# Altium PCB shield.pcbdoc (part 1 of 2)
Units mm, origin at the board's own origin, x right, y up, seen from the top; angles counter-clockwise.
Board outline 68.58 x 53.34 mm, 2 copper layers (Top Layer, Bottom Layer), stack 0.981 mm thick; 66 components, 65 nets, 332 pads, 495 vias.
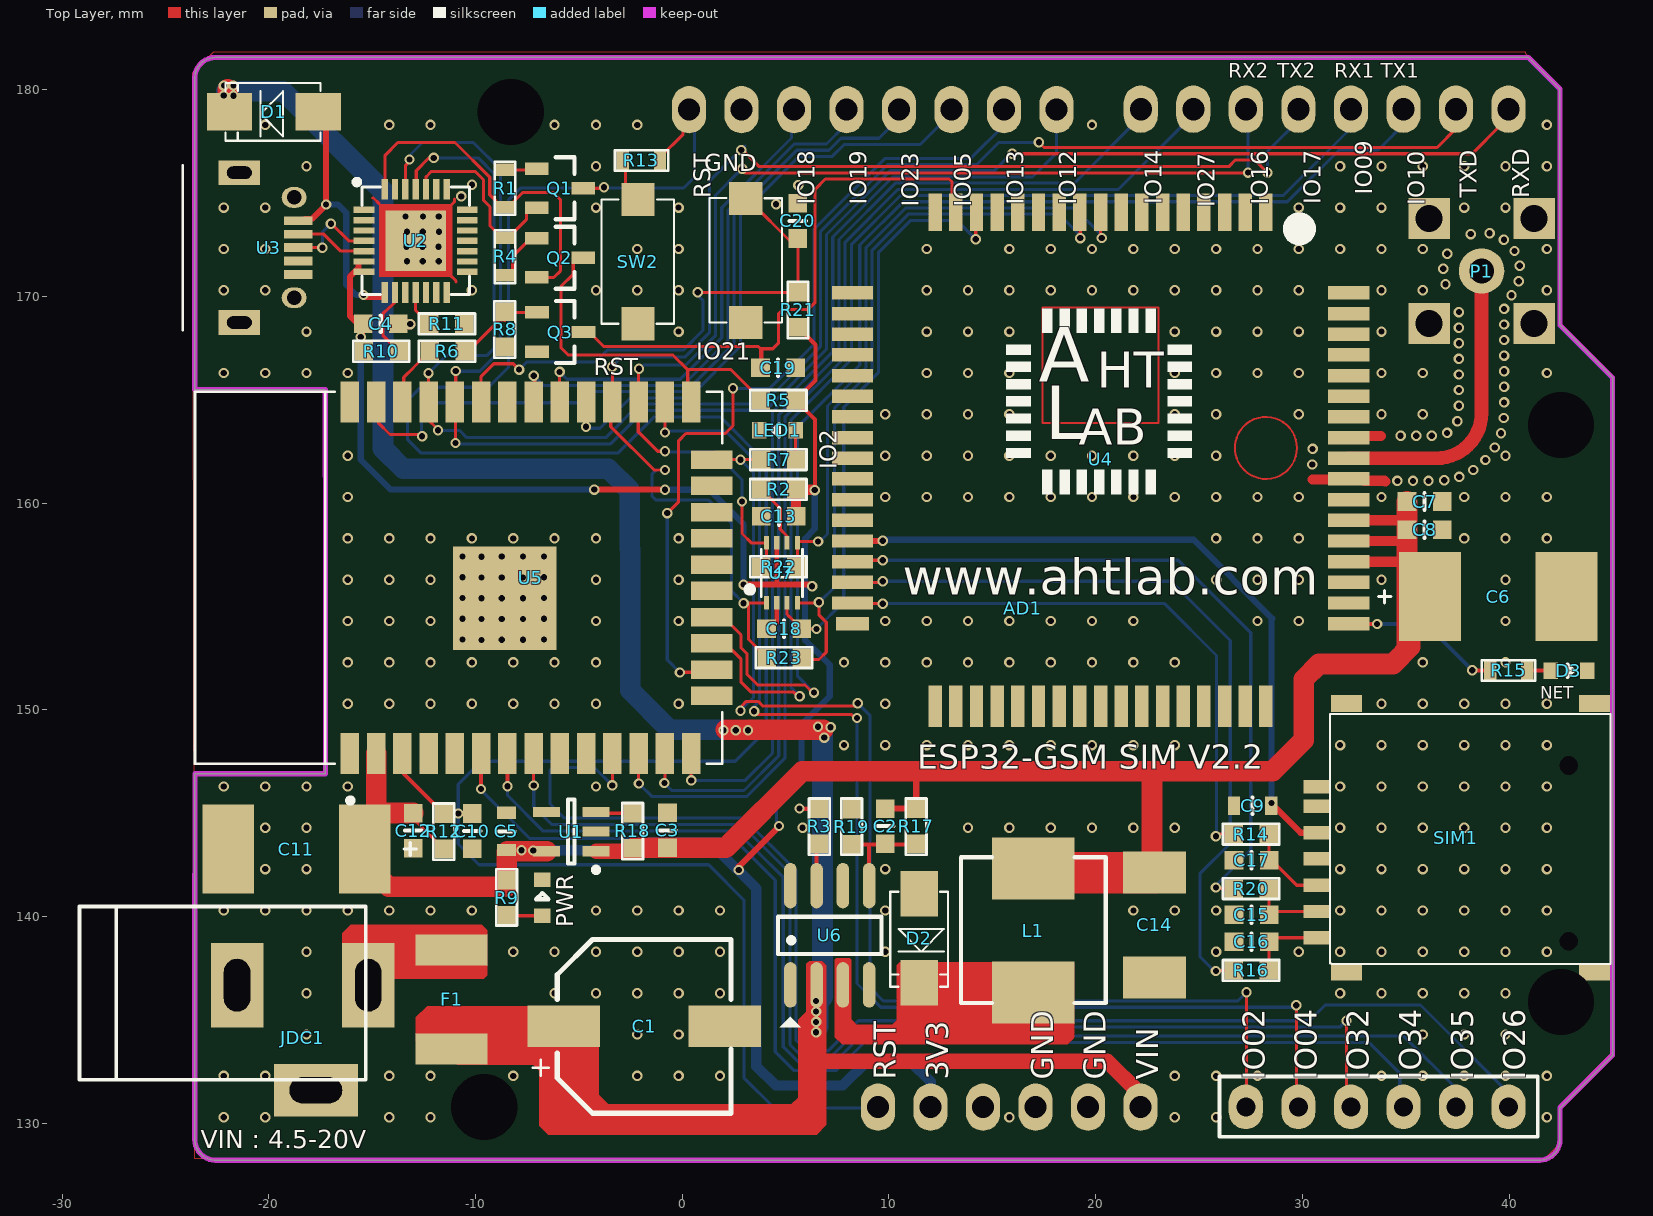
[diagram p0: Top Layer view]
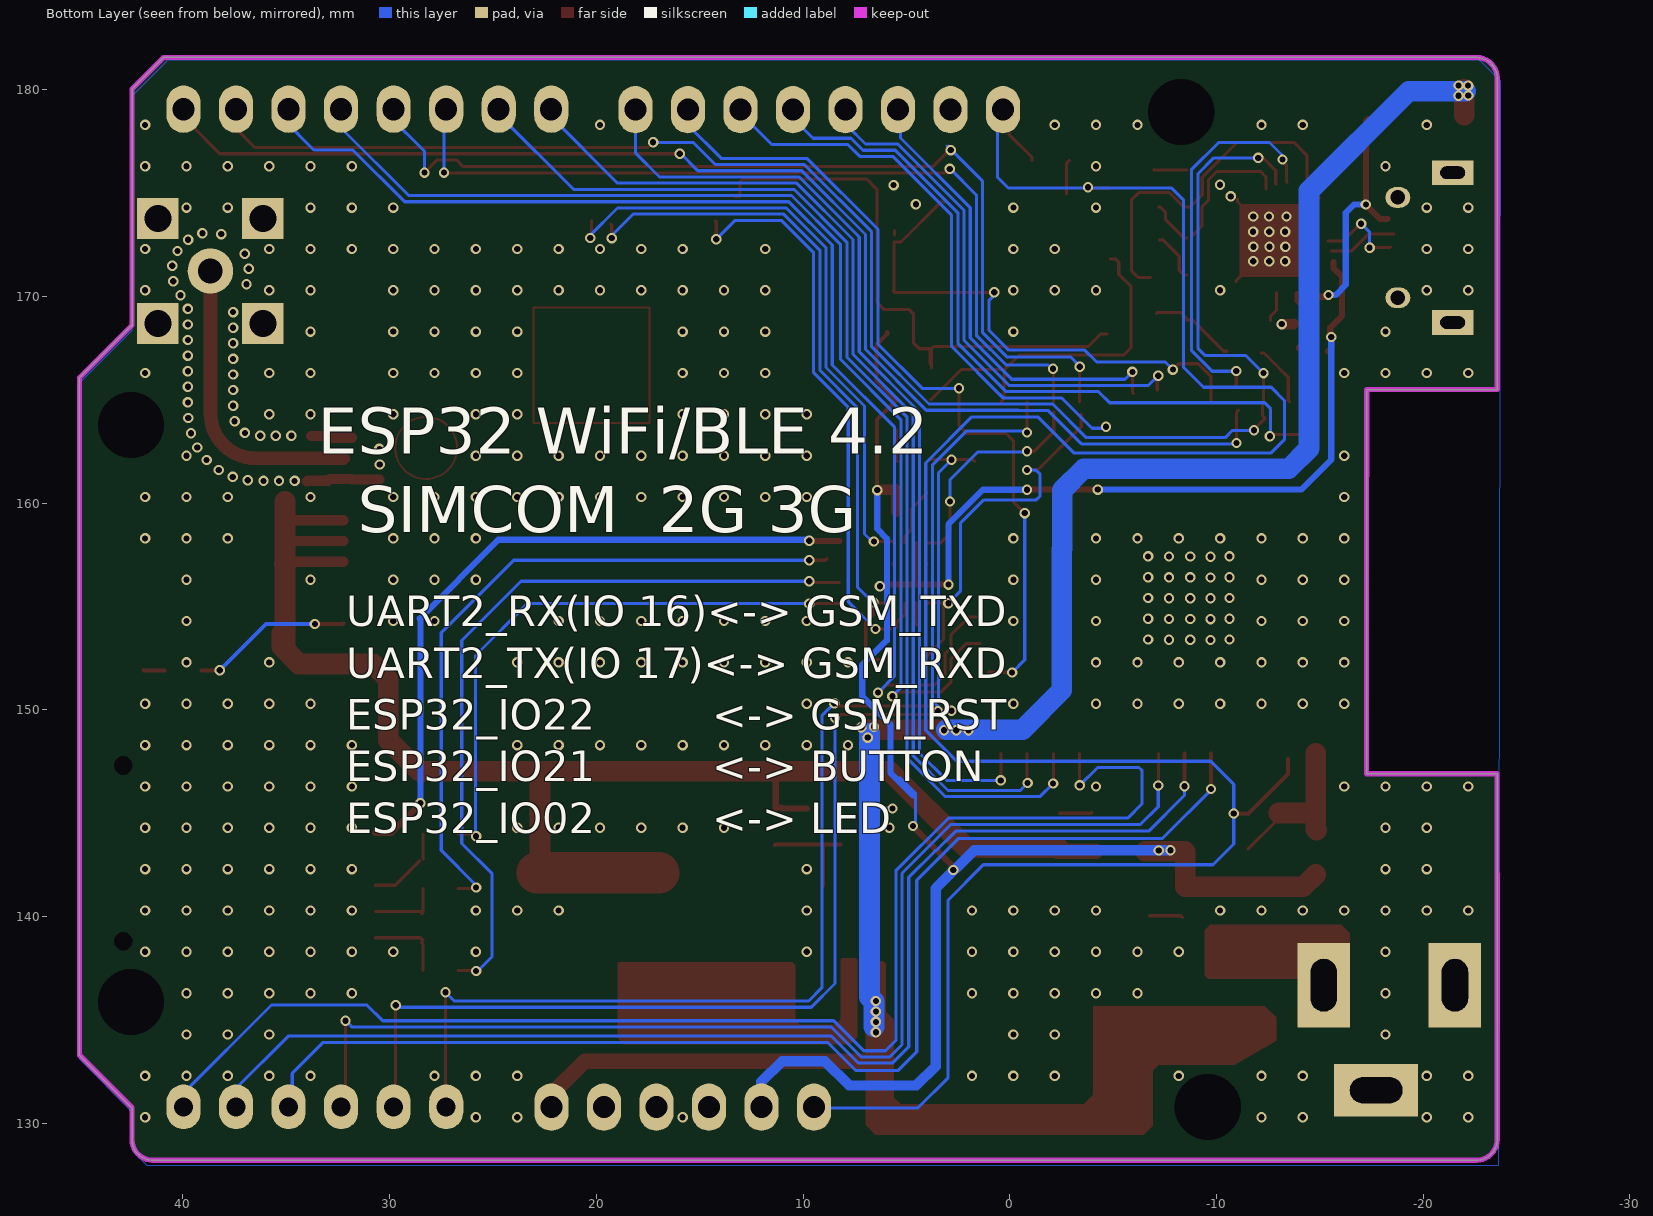
[diagram p1: Bottom Layer view, seen from below]
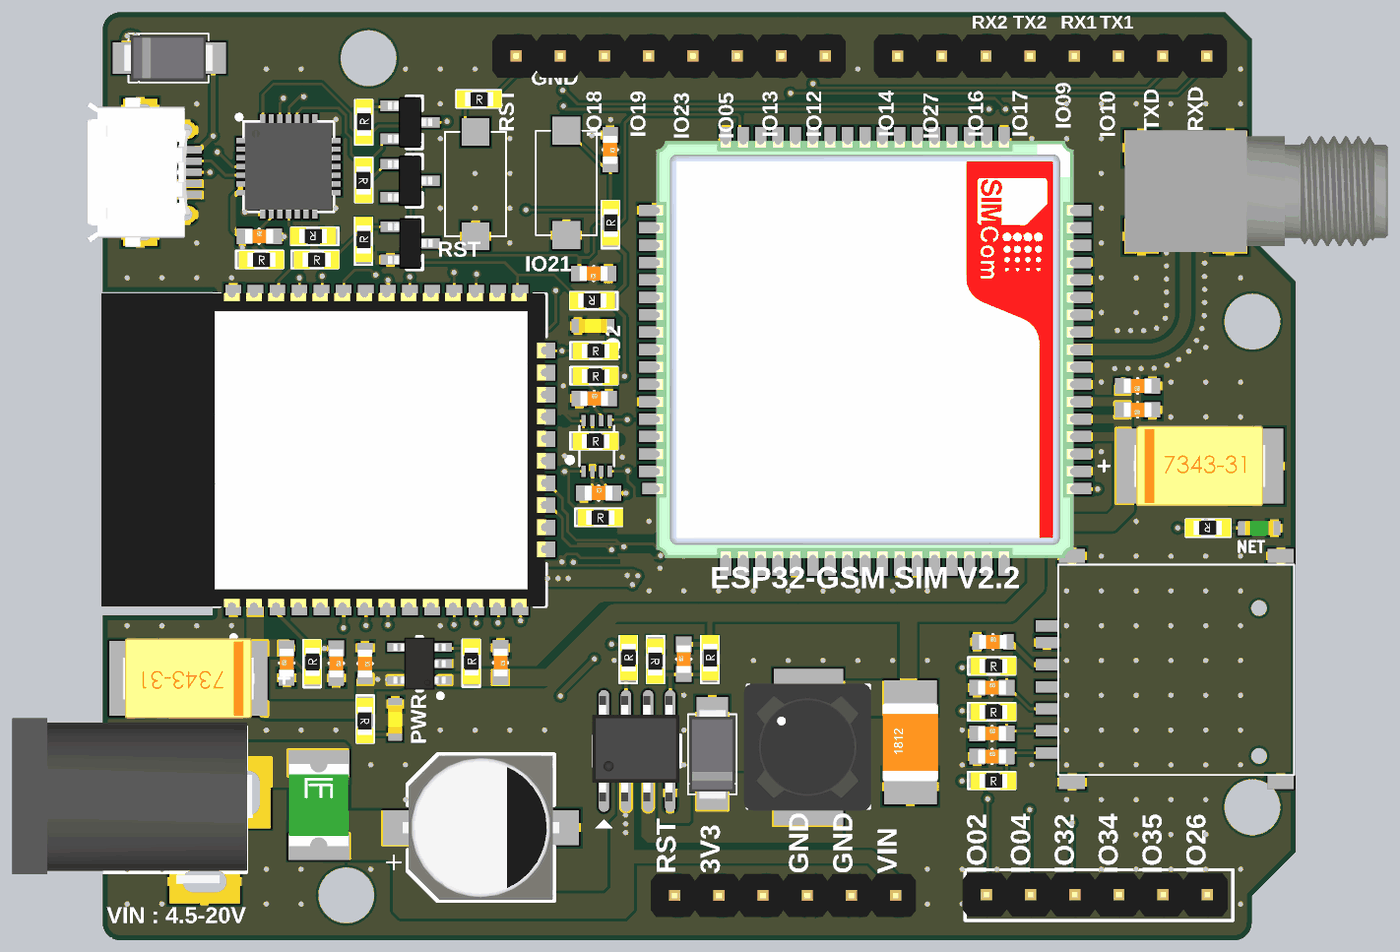
[diagram p3: 3D render of the assembled board from above, using the file's embedded part models]

## Layer stack, top to bottom
Top Solder: solder mask 0.0102, Solder Resist, Dk 3.5
Top Layer: signal copper 0.0356
Dielectric 1: core 0.91, FR-4, Dk 4.2
Bottom Layer: signal copper 0.0356
Bottom Solder: solder mask 0.0102, Solder Resist, Dk 3.5

## Board outline
-23.578,129.219 -23.578,142.054 -23.57,142.061 -23.57,146.908 -17.258,146.908 -17.258,161.285 -17.265,161.292 -17.265,165.498 -23.578,165.498 -23.578,180.559 cw(c-22.578,180.559) -22.578,181.559 40.938,181.559 42.462,180.035 42.462,168.605 45.002,166.065 45.002,133.299 42.462,130.759 42.462,129.219 cw(c41.462,129.219) 41.462,128.219 -22.578,128.219 cw(c-22.578,129.219)

## Design rules (kind name [scope] priority, off if disabled: settings)
Clearance "Schematic Clearance Constraint" [InNet('ANT')] p1: gap=0.254 ignorepadtopadclearanceinfootprint=FALSE except(0: Arc-Hole Track-Hole SMDPad-Hole THPad-Hole Via-Hole Fill-Hole Poly-Hole Region-Hole Text-Hole)
Clearance "Copper pour" [isregion AND innet('GND')] p2: gap=0.3 ignorepadtopadclearanceinfootprint=FALSE
Clearance "Board to Board" [hasfootprint('GROUND') vs OnLayer('keep-out layer') OR IsBoardCutoutRegion] p3: gap=0.2 ignorepadtopadclearanceinfootprint=FALSE
Clearance [All] p4: gap=0.15 ignorepadtopadclearanceinfootprint=FALSE
MinimumSolderMaskSliver [All] p1: minsoldermaskwidth=0
PlaneConnect [All] p1: planeconnectstyle=Direct reliefexpansion=0.508 reliefentries=4 reliefconductorwidth=0.254 reliefairgap=0.254
PolygonConnect PolygonConnect_1 [IsVia] p1: connectstyle=Direct reliefconductorwidth=0.254 reliefentries=4 polygonreliefangle="90 Angle" airgapwidth=0.254
PolygonConnect [All] p2: connectstyle=Relief reliefconductorwidth=0.5 reliefentries=4 polygonreliefangle="90 Angle" airgapwidth=0.2
RoutingVias [All] p1: holewidth=0.3 width=0.5 viastyle="Through Hole" minholewidth=0.3 minwidth=0.5 maxholewidth=0.3 maxwidth=0.5
SilkToSilkClearance [All] p1: silktosilkclearance=0.051
SilkToSolderMaskClearance [IsPad] p1: minsilkscreentomaskgap=0.102 clearancetoexposedcopper=TRUE
SolderMaskExpansion [All] p1: expansion=0.102
Width "Schematic Width Constraint" [InNet('ANT')] p1: maxlimit=0.66 minlimit=0.66 preferedwidth=0.66
Width [All] p2: maxlimit=2 minlimit=0.15 preferedwidth=0.15
26 further rules are at their usual default settings.

## Components (designator, comment, footprint, x,y, rotation, side; value= is the part's Value field where it differs from the comment)
AD1 "Arduino UNO" "Arduino UNO" 16.463,154.92 r0 top locked
C1 "Aluminum Cap 100uF 50V 20%" "CAPACITOR SIZE_E(D8.3)" -1.833,134.691 r0 top
C2 "Ceramic Cap 0603 0.1uF 50V 10% X7R" C0603#1 9.819,144.375 r90 top value=0.1uF
C3 "Ceramic Cap 0603 10uF 6.3V 20% X5R" C0603#1 -0.712,144.174 r270 top value="10uF, 6.3V"
C4 "Ceramic Cap 0603 4.7UF  6.3V 5% NP0" C0603#1 -14.58,168.687 r0 top value=100nF
C5 "Ceramic Cap 0603 10uF 6.3V 20% X5R" C0603#2 -8.5,144.124 r270 top value="10uF, 6.3V"
C6 "Tantalum Cap 2917 100uF 10V 10% 100 mOhm" C2917#1 39.481,155.48 r0 top value="100uF, 10V"
C7 "Ceramic Cap 0603 0.1uF 50V 10% X7R" C0603#1 35.91,160.081 r180 top value=0.1uF
C8 "Ceramic Cap 0603 1uF 25V 10% X5R" C0603#1 35.91,158.707 r180 top value=1uF
C9 "Ceramic Cap 0603 0.1uF 50V 10% X7R" C0603#2 27.594,145.37 r0 top value=0.1uF
C10 "Ceramic Cap 0603 0.1uF 50V 10% X7R" C0603#1 -10.156,144.139 r270 top value=0.1uF
C11 "100µF Molded Tantalum Capacitors 16V 2917" C2917#2 -18.657,143.271 r180 top value="100uF, 16V"
C12 "Ceramic Cap 0603 0.1uF 50V 10% X7R" C0603#1 -13.003,144.159 r90 top value=0.1uF
C13 "Ceramic Cap 0603 0.1uF 50V 10% X7R" C0603#1 4.677,159.358 r0 top value=0.1uF
C14 "Ceramic Cap 0603 10uF 6.3V 20% X5R" C1812NP 22.849,139.596 r90 top value="10uF, 6.3V"
C15 "Ceramic Cap 0603 33pF 50V 5% NP0" C0603#1 27.542,140.098 r0 top value=33pF
C16 "Ceramic Cap 0603 33pF 50V 5% NP0" C0603#1 27.542,138.78 r0 top value=33pF
C17 "Ceramic Cap 0603 33pF 50V 5% NP0" C0603#1 27.542,142.734 r0 top value=33pF
C18 "Ceramic Cap 0603 0.1uF 50V 10% X7R" C0603#1 4.93,153.927 r0 top value=0.1uF
C19 "Ceramic Cap 0603 0.1uF 50V 10% X7R" C0603#1 4.636,166.546 r180 top value=0.1uF
C20 "Ceramic Cap 0603 0.1uF 50V 10% X7R" C0603#1 5.592,173.654 r270 top value=0.1uF
D1 "B350A" DO-214AC -19.75,178.93 r180 top
D2 "B350A" DO-214AC 11.463,138.955 r270 top
D3 "NET" LED0603-G 42.897,151.901 r180 top value="LED Green"
F1 "F1A" "FUSE SMD" -11.156,135.996 r270 top value=Fuse
IO21 "SW" SW-smd 3.074,171.748 r180 top value="SW chip 2 pin" (schematic designator SW1)
JDC1 "Jac DC" DC-IN -18.359,134.141 r0 top
L1 "Inductor Shielded 15uH SMD" VLP8940 16.987,139.32 r270 top value=15uH
LED1 "LED" LED0603-Y 4.608,163.526 r0 top value="LED 3 - 5 ly 2 Colour"
P1 "SMA Connector RA" "SMA R/A" 38.673,171.231 r270 top locked
PWR "LED" LED0603-Y -6.766,140.919 r270 top value="LED 3 - 5 ly 2 Colour" (schematic designator LED2)
Q1 "BC847" SOT-23 -5.914,175.234 r0 top
Q2 "BC847" SOT-23 -5.914,171.874 r0 top
Q3 "BC847" SOT-23 -5.901,168.28 r0 top
R1 "RES 10K 5% 1/10W 0603" R0603#1 -8.571,175.224 r90 top value=10K
R2 "RES 100K 5% 1/10W 0603" R0603#2 4.669,160.667 r0 top value=100K
R3 "RES 100K 5% 1/10W 0603" R0603#2 6.634,144.367 r90 top value=100K
R4 "RES 10K 5% 1/10W 0603" R0603#1 -8.571,171.934 r270 top value=10K
R5 "RES 1K 5% 1/10W 0603" R0603#2 4.643,164.975 r180 top value=10k
R6 "RES 100K 5% 1/10W 0603" R0603#2 -11.365,167.349 r0 top value=10K
R7 "RES 1K 5% 1/10W 0603" R0603#2 4.669,162.103 r0 top value=1K
R8 "RES 100K 5% 1/10W 0603" R0603#2 -8.584,168.415 r90 top value=100K
R9 "RES 1K 5% 1/10W 0603" R0603#2 -8.489,140.919 r270 top value=1K
R10 "RES 1K 5% 1/10W 0603" R0603#2 -14.546,167.349 r0 top value=5K1
R11 "RES 1K 5% 1/10W 0603" R0603#2 -11.396,168.675 r180 top value=5K1
R12 "RES 1K 5% 1/10W 0603" R0603#2 -11.535,144.128 r90 top value=10k
R13 "RES 1K 5% 1/10W 0603" R0603#1 -1.975,176.578 r0 top value=330
R14 "RES 22R 5% 1/10W 0603" R0603#2 27.534,143.99 r0 top value=22R
R15 "RES 1K 5% 1/10W 0603" R0603#1 39.986,151.908 r180 top value=1K
R16 "RES 22R 5% 1/10W 0603" R0603#2 27.534,137.4 r0 top value=22R
R17 "RES 100K 5% 1/10W 0603" R0603#2 11.319,144.367 r90 top value=100K
R18 "RES 100K 5% 1/10W 0603" R0603#2 -2.395,144.15 r90 top value=10K
R19 "RES 100K 5% 1/10W 0603" R0603#2 8.195,144.341 r270 top value=100K
R20 "RES 22R 5% 1/10W 0603" R0603#2 27.534,141.354 r0 top value=22R
R21 "RES 1K 5% 1/10W 0603" R0603#2 5.604,169.359 r90 top value=10k
R22 "RES 1K 5% 1/10W 0603" R0603#2 4.666,156.924 r0 top value=1K
R23 "RES 1K 5% 1/10W 0603" R0603#2 4.94,152.53 r0 top value=1K
SIM1 "SIM Card Holder" NANO-SIM 44.141,137.309 r90 top value=101-00306-82
SW2 "SW" SW-smd -2.147,171.68 r180 top value="SW chip 2 pin"
U1 "AP2112K-3.3TRG1" SOT-23-5 -5.367,144.115 r180 top
U2 "CP2102" CP2102 -12.892,172.691 r90 top
U3 "Micro USB B" "USB Micro B - DIP" -21.421,172.362 r270 top
U4 "SIM900" SIM900 20.237,162.171 r270 top
U5 "ESP32-WROOM-32D" *MODULE_ESP32-WROOM-32D -10.815,156.393 r90 top locked
U6 "TD1410" SO-8 7.139,139.096 r90 top
U7 "TXS0102" TXS0102 4.822,156.626 r90 top

## Footprints (in the part's own frame and the unit in brackets; to place one, negate y for a bottom-side part, rotate by r counter-clockwise, add the part's x,y. Pads: shape width x height; smd on the part's side, far side on the other; paste and mask are expansions set on the pad)
*MODULE_ESP32-WROOM-32D [mm]
  rect 2x0.9 smd: 1(-8.5,5.26) 2(-8.5,3.99) 3(-8.5,2.72) 4(-8.5,1.45) 5(-8.5,0.18) 6(-8.5,-1.09) 7(-8.5,-2.36) 8(-8.5,-3.63) 9(-8.5,-4.9) 10(-8.5,-6.17) 11(-8.5,-7.44) 12(-8.5,-8.71) 13(-8.5,-9.98) 14(-8.5,-11.25) 25(8.5,-11.25) 26(8.5,-9.98) 27(8.5,-8.71) 28(8.5,-7.44) 29(8.5,-6.17) 30(8.5,-4.9) 31(8.5,-3.63) 32(8.5,-2.36) 33(8.5,-1.09) 34(8.5,0.18) 35(8.5,1.45) 36(8.5,2.72) 37(8.5,3.99) 38(8.5,5.26)
  rect 0.9x2 smd: 15(-5.715,-12.25) 16(-4.445,-12.25) 17(-3.175,-12.25) 18(-1.905,-12.25) 19(-0.635,-12.25) 20(0.635,-12.25) 21(1.905,-12.25) 22(3.175,-12.25) 23(4.445,-12.25) 24(5.715,-12.25)
  rect 5x5 smd: 39(-1,-2.24)
  silkscreen extent -10.88,-12.75 9,12.75, body extent -9.04,-12.7 9.04,12.84, height 3
"Arduino UNO" [mil] "Arduino UNO"
  oval 65x90 hole 42: 3(-275,-950.25) 4(-175,-950.25) 5(-75,-950.25) 6(25,-950.25) 7(125,-950.25) 8(225,-950.25) 15(925.25,950.25) 16(825.25,950.25) 17(725.25,950.25) 18(625.25,950.25) 19(525.25,950.25) 20(425.25,950.25) 21(325.25,950.25) 22(225.25,950.25) 23(65,949.5) 24(-35,949.5) 25(-135,949.5) 26(-235,949.5) 27(-335,949.5) 28(-435,949.5) 29(-535,949.5) 30(-635,949.5)
  oval 65x85 hole 36: 9(425.25,-949.75) 10(525.25,-949.75) 11(625.25,-949.75) 12(725.25,-949.75) 13(825.25,-949.75) 14(925.25,-949.75)
  round 0 hole 125.98: ""(-1025.25,-949.75) ""(-974.75,944.75) ""(1025.25,-750.25) ""(1025.25,348.75)
  silkscreen extent 375,-1007 981,-892, body extent -695,-999 969,999, height 323
C0603#1 [mm] "Chip Capacitor; Body 1.6 x 0.8 mm (LxW typ)"
  rect 0.9x0.9 smd: 1(-0.85,0) 2(0.85,0)
  silkscreen extent 0,-0.4 0,0.4, body extent -0.8,-0.4 0.8,0.4, height 0.3
C0603#2 [mm] "Chip Capacitor; Body 1.6 x 0.8 mm (LxW typ)"
  rect 0.6x0.9 smd: 1(-0.9,0) 2(0.9,0)
  silkscreen extent 0,-0.4 0,0.4, body extent -0.8,-0.4 0.8,0.4, height 0.3
C1812NP [mil]
  rect 80x120 smd: 1(-100.3,0) 2(100.3,0)
  body extent -89,-63 89,63, height 63
C2917#1 [mm] "7.3 x 4.3mm Cap"
  rect 3x4.3 smd: 1(-3.3,0) 2(3.3,0)
  silkscreen extent -5.8,-0.3 -5.2,0.3, body extent -3.8,-2.3 3.8,2.3, height 3.1
C2917#2 [mm] "7.3 x 4.3mm Cap"
  rect 2.5x4.3 smd: 1(-3.3,0) 2(3.3,0)
  silkscreen extent -5.8,-0.3 -5.2,0.3, body extent -3.8,-2.3 3.8,2.3, height 3.1
"CAPACITOR SIZE_E(D8.3)" [mm]
  rect 3.5x2 smd: 1(-3.89,0) 2(3.89,0)
  silkscreen extent -5.41,-4.2 4.19,4.2, body extent -4.51,-4.15 4.49,4.15, height 6.2
CP2102 [mm] "28-Pin Plastic Thin Quad Flat Pack (TFQP)"
  rect 0.3x1 smd: 1(1.5,2.5) 2(1,2.5) 3(0.5,2.5) 4(0,2.5) 5(-0.5,2.5) 6(-1,2.5) 7(-1.5,2.5) 15(-1.5,-2.5) 16(-1,-2.5) 17(-0.5,-2.5) 18(0,-2.5) 19(0.5,-2.5) 20(1,-2.5) 21(1.5,-2.5)
  rect 1x0.3 smd: 8(-2.5,1.5) 9(-2.5,1) 10(-2.5,0.5) 11(-2.5,0) 12(-2.5,-0.5) 13(-2.5,-1) 14(-2.5,-1.5) 22(2.5,-1.5) 23(2.5,-1) 24(2.5,-0.5) 25(2.5,0) 26(2.5,0.5) 27(2.5,1) 28(2.5,1.5)
  rect 2.921x2.921 smd paste-3.2: 29(0,0)
  silkscreen extent -2.6,-2.6 2.97,2.97, body extent -2.5,-2.5 2.5,2.5, height 1
DC-IN [mil] "Jac DC input"
  rect 100x160 hole 50 slot 100 at 90 deg: 1(125,100) 2(-125,100)
  rect 160x100 hole 50 slot 100 at 0 deg: 3(25,-100)
  silkscreen extent -425,-80 120,250, body extent -410,-105 134,269, height 434
DO-214AC [mm] "SMA"
  rect 2.2x1.8 smd: 1(-2.148,0) 2(2.148,0)
  silkscreen extent -2.25,-1.4 2.35,1.4, body extent -2.55,-1.3 2.65,1.3, height 2.3
"FUSE SMD" [mm] "Magnetic-Core Inductor with Winding Polarity Marking; 2 Leads"
  rect 1.5x3.5 smd: 1(-2.4,0) 2(2.4,0)
  body extent -2.36,-1.7 2.37,1.71, height 1.34
LED0603-G [mm]
  rect 0.7x0.8 smd: 1(0.875,0) 2(-0.875,0)
  silkscreen extent -0.23,-0.3 0.08,0.3, body extent -0.81,-0.4 0.81,0.4, height 1.1
LED0603-Y [mm]
  rect 0.7x0.8 smd: 1(0.875,0) 2(-0.875,0)
  silkscreen extent -0.23,-0.3 0.08,0.3, body extent -0.81,-0.4 0.81,0.4, height 1.1
NANO-SIM [mm]
  rect 0.8x1.5 smd: 1(0,0) 2(13,0) 3(0,12) 3(13,12)
  round 0 hole 0.9: 7(1.5,1.25) 8(10,1.25)
  rect 0.65x1.25 smd: C1(6.75,13.45) C2(4.21,13.45) C3(1.67,13.45) C5(8.02,13.45) C6(5.48,13.45) C7(2.94,13.45) CD(8.97,13.45)
  silkscreen extent 0.41,-0.76 12.5,12.8, body extent -0.05,-0.81 13.11,13.71, height 1.5
R0603#1 [mm]
  rect 0.6x0.9 smd: 1(-0.9,0) 2(0.9,0)
  silkscreen extent -1.27,-0.5 1.3,0.5, body extent -1.26,-0.52 1.34,0.48, height 0.53
R0603#2 [mm]
  rect 0.9x0.9 smd: 1(-0.85,0) 2(0.85,0)
  silkscreen extent -1.37,-0.5 1.35,0.5, body extent -1.21,-0.52 1.39,0.48, height 0.53
SIM900 [mm] "Thin QFP, 64-Leads, Body 10x10mm, Pitch 0.5mm, IPC High Density"
  rect 1.8x0.65 smd: 1(-11.9,8) 2(-11.9,7) 3(-11.9,6) 4(-11.9,5) 5(-11.9,4) 6(-11.9,3) 7(-11.9,2) 8(-11.9,1) 9(-11.9,0) 10(-11.9,-1) 11(-11.9,-2) 12(-11.9,-3) 13(-11.9,-4) 14(-11.9,-5) 15(-11.9,-6) 16(-11.9,-7) 17(-11.9,-8)
  rect 0.65x2 smd: 18(-8,-12) 19(-7,-12) 20(-6,-12) 21(-5,-12) 22(-4,-12) 23(-3,-12) 24(-2,-12) 25(-1,-12) 26(0,-12) 27(1,-12) 28(2,-12) 29(3,-12) 30(4,-12) 31(5,-12) 32(6,-12) 33(7,-12) 52(8,12) 53(7,12) 54(6,12) 55(5,12) 56(4,12) 57(3,12) 58(2,12) 59(1,12) 60(0,12) 61(-1,12) 62(-2,12) 63(-3,12) 64(-4,12) 65(-5,12) 66(-6,12) 67(-7,12) 68(-8,12)
  rect 0.65x1.6 smd: 34(8,-12)
  rect 2x0.65 smd: 35(12,-8) 36(12,-7) 37(12,-6) 38(12,-5) 39(12,-4) 40(12,-3) 41(12,-2) 42(12,-1) 43(12,0) 44(12,1) 45(12,2) 46(12,3) 47(12,4) 48(12,5) 49(12,6) 50(12,7) 51(12,8)
  Top Layer circle w0.1: c-0.5,8 r1.5
  Top Layer lines w0.1: -1.7,-2.8 -1.7,2.8 -7.3,2.8 -7.3,-2.8 -1.7,-2.8
  silkscreen extent -11.5,9.22 -10.7,10.02, body extent -11.99,-12 12.01,12, height 3.02
"SMA R/A" [mm] "Connector; Header; 2 Position"
  round 2.2 hole 1.2: 1(0,0)
  rect 2x2 hole 1.3: 2(-2.54,-2.54) 3(2.54,-2.54) 4(2.54,2.54) 5(-2.54,2.54)
  body extent -3.54,-3.49 3.46,11.61, height 9.86
SO-8 [mm] "8-Pin Small Outline Integrated Circuit 1.27 mm Pitch, IPC Medium Density"
  oval 2.2x0.6 smd: 1(-2.4,1.905) 2(-2.4,0.635) 3(-2.4,-0.635) 4(-2.4,-1.905) 5(2.4,-1.905) 6(2.4,-0.635) 7(2.4,0.635) 8(2.4,1.905)
  silkscreen extent -4.44,-2.5 0.9,2.5, body extent -2.89,-2.43 3.15,2.59, height 1.6
SOT-23 [mm] "SOT23, 3-Leads, Body 2.9x1.3mm, Pitch 0.95mm, Lead Span 2.4mm, IPC Medium Density"
  rect 1.15x0.6 smd: 1(-1.125,0.95) 2(-1.125,-0.95) 3(1.125,0)
  silkscreen extent -0.2,-1.5 0.7,1.5, body extent -1.27,-1.46 1.28,1.46, height 0.99
SOT-23-5 [mm] "SOT23, 5-Leads, Body 2.9x1.6mm, Pitch 0.95mm, Lead Span 2.8mm, IPC Low Density"
  rect 1.3x0.5 smd: 1(-1.2,0.95) 2(-1.2,0) 3(-1.2,-0.95) 4(1.2,-0.95) 5(1.2,0.95)
  silkscreen extent -1.33,-1.55 0.15,1.97, body extent -1.5,-1.5 1.5,1.5, height 1.5
SW-smd [mm]
  rect 1.6x1.6 smd: 1(0,3) 2(0,-3)
  silkscreen extent -1.76,-3.01 1.75,3, body extent -1.77,-3.8 1.83,3.8, height 2.5
TXS0102 [mm]
  rect 0.65x0.25 smd: 1(-1.45,0.75) 2(-1.45,0.25) 3(-1.45,-0.25) 4(-1.45,-0.75) 5(1.45,-0.75) 6(1.45,-0.25) 7(1.45,0.25) 8(1.45,0.75)
  silkscreen extent -1.15,-1 1.15,1.7
"USB Micro B - DIP" [mm] "https://item.taobao.com/item.htm?spm=a1z10.3-c-s.w4002-21223910208.24.1dea6a4btt7QFO&id=538190056175"
  rect 0.425x1.38 smd: 1(-1.3,2.85) 2(-0.65,2.85) 3(0,2.85) 4(0.65,2.85) 5(1.3,2.85)
  rect 1.2x2 hole 0.6 slot 1.2 at 90 deg: SHIELD(-3.625,0) SHIELD(3.625,0)
  oval 1x1.2 hole 0.7: SHIELD(-2.425,2.65) SHIELD(2.425,2.65)
  silkscreen extent -4,-2.74 4,-2.74, body extent -4.33,-3.05 4.32,2.85, height 2.85
VLP8940 [mm]
  rect 3x4 smd: 1(-3,0) 2(3,0)
  silkscreen extent -3.55,-3.5 3.5,3.5, body extent -3.65,-3.7 3.65,3.6, height 4

## Part data
AD1: Supplier Part Number 1=1050-1024-ND, Supplier 1=Digi-Key
C1: library part 50ZLJ100MT78X11.5, "Rubicon Aluminum Cap 100uF 50V 20%", Supplier Part Number 1=1189-1662-1-ND, Supplier 1=Digi-Key
C2 C7 C9 C10 C12 C13 C18 C19 C20: library part GRM188R71H104KA93, "Murata General Purpose Ceramic Cap 0603 0.1uF 50V 10% X7R", Supplier Part Number 1=490-1519-1-ND, Supplier 1=Digi-Key
C3 C5 C14: library part GRM188R60J106ME47, "Murata General Purpose Ceramic Cap 0603 10uF 6.3V 20% X5R", Supplier Part Number 1=490-3896-1-ND, Supplier 1=Digi-Key
C4: library part GRM188R61C475KAAJD, "CAP CER 4.7UF 6.3V X6S 0603", Supplier Part Number 1=490-10481-2-ND, Supplier 1=Digi-Key
C6: library part TPSD107K010R0100, "AVX Tantalum Cap 2917 100uF 10V 10% 100 mOhm", Supplier Part Number 1=478-1777-1-ND, Supplier 1=Digi-Key
C8: library part GRM188R61E105KA12, "Murata General Purpose Ceramic Cap 0603 1uF 25V 10% X5R", Supplier Part Number 1=490-6414-1-ND, Supplier 1=Digi-Key, Supplier 2=Digi-Key, Supplier Part Number 2=490-3897-1-ND
C11: library part TAJD107M016RNJ, "100µF Molded Tantalum Capacitors 16V 2917 (7343 Metric) 600 mOhm 0.287\" L x 0.169\" W (7.30mm x 4.30mm)", Supplier Part Number 1=478-3919-2-ND, Supplier 1=Digi-Key
C15 C16 C17: library part GRM1885C1H330JA01, "Murata General Purpose Ceramic Cap 0603 33pF 50V 5% NP0", Supplier Part Number 1=490-1415-1-ND, Supplier 1=Digi-Key
D1 D2: "Schottky Diode 50V 3A SMA", Supplier Part Number 1=B350A-FDICT-ND, Supplier 1=Digi-Key
D3: library part LTST-C190KGKT, "Lite-On LED Green 0603", Supplier Part Number 1=160-1435-1-ND, Supplier 1=Digi-Key
F1: library part Fuse, "Fuse", Designed by=VanDungEvn
IO21 SW2: library part SW2, "Switch button 2 pin"
JDC1: library part DCIN, "Jac DC input"
L1: library part DR127-150-R, Supplier Part Number 1=513-1040-1-ND, Supplier 1=Digi-Key
LED1 PWR: library part "LED SMD"
Q1 Q2 Q3: "TRANS BIPO NPN 200MW 45V SC70-3", Supplier Part Number 1=BC847AW-7FDICT-ND, Supplier 1=Digi-Key
R1 R4: library part RC0603JR-0710KL, "Yageo RES 10K 5% 1/10W 0603", Supplier Part Number 1=311-10KGRCT-ND, Supplier 1=Digi-Key
R2 R3 R6 R8 R17 R18 R19: library part RC0603JR-07100KL, "Yageo RES 100K 5% 1/10W 0603", Supplier Part Number 1=311-100KGRCT-ND, Supplier 1=Digi-Key, Supplier Part Number 2=FL2402
R5 R7 R9 R10 R11 R12 R13 R15 R21 R22 R23: library part RC0603JR-071KL, "Yageo RES 1K 5% 1/10W 0603", Supplier Part Number 1=311-1.0KGRCT-ND, Supplier 1=Digi-Key
R14 R16 R20: library part RC0603JR-0722RL, "Yageo RES 22R 5% 1/10W 0603", Supplier Part Number 1=311-22GRCT-ND, Supplier 1=Digi-Key
SIM1: library part 101-00306-82, "Amphenol SIM Card Holder", Supplier Part Number 1=101-00306-82-1-ND, Supplier 1=Digi-Key
U1: "AP2112 Series 0.6 A 3.3 V Fixed Output SMT LDO Linear Regulator - SOT23-5", Package="SOT-753 Diodes Inc.", Availability=Unavailable, MF="Diodes Inc.", MP=AP2112K-3.3TRG1, Price=None, SnapEDA_Link=https://www.snapeda.com/parts/AP2112K-3.3TRG1/Diodes%20Inc./view-part/?ref=snap
U3: library part 0473460001, "Molex Micro USB B Receptacle Right Angle", Supplier Part Number 1=WM17141CT-ND, Supplier 1=Digi-Key
U4: "SIM900 GSM MODULE"
U5: "IC: SoC; GPIO, I2C, I2S, IR, SD, SDIO, SPI, UART; 2.7÷3.6VDC; 20dBm", Package="Module Espressif Systems", Availability=Unavailable, MF="Espressif Systems", MP=ESP32-WROOM-32D, Price=None, SnapEDA_Link=https://www.snapeda.com/parts/ESP32-WROOM-32D/Espressif%20Systems/view-part/?ref=snap
U6: "2A 380KHz 20V PWM Buck DC/DC Converter"
U7: "TXS0102 2-Bit Bidirectional Voltage-Level Translator for Open-Drain and Push-Pull / Applications", Supplier Part Number 1=12X9070, Supplier 1=Newark

## Via types
v1: diameter 0.5, hole 0.3, Top Layer to Bottom Layer, tented both sides, 495 vias

## Nets (pads, with @x,y where several pads share a name; then routed paths per layer and width w, separated by ;. In a path a pad name is that pad's centre, name@x,y a point inside that pad or via, vN(x,y) a via of type N, cw(c..) or ccw(c..) an arc to the next point about the centre after c; other vN are vias at no path point)
3V3: AD1.4 C4.1 C5.2 C11.1 C12.2 C13.2 R2.2 R5.1 R9.1 R10.1 R12.1 R21.1 U1.5 U2.6 U2.7 U5.2 U7.7 | length 120.7
  Top Layer w0.15: C12.2@-12.858,144.999 -12.858,144.601 R12.1@-11.535,143.278 ; v1@4.685,144.371 v1(4.685,144.388)
  Top Layer w0.2: 4.572,156.061 U7.7@4.572,158.076 ; R21.1@5.931,168.272 5.931,168.182 6.449,167.664 6.449,165.931 R5.1@5.493,164.975 6.416,164.052 v1(6.416,160.632)
  Top Layer w0.3: U2.6@-15.662,171.652 -15.662,171.363 -16.076,170.949 -16.076,169.071 -15.499,168.494 v1@-15.499,168.23 ; v1(-15.553,168.037) -15.553,167.507 R10.1@-15.396,167.349 ; v1(-4.252,160.656) -0.826,160.656 v1@-0.817,160.646 ; v1(2.732,142.259) 2.732,142.418 v1@4.685,144.371 ; v1(2.969,156.061) 4.572,156.061 v1@6.251,156.061
  Top Layer w0.5: C5.2@-8.513,143.279 -8.487,143.253 -8.487,143.144 C5.2@-8.466,143.165 ; C13.2@5.507,159.572 5.507,160.656 R2.2@5.519,160.667 5.544,160.642 v1@6.329,160.642
  Top Layer w1: C11.1@-14.855,144.192 -14.805,144.242 C11.1@-14.805,145.009 ; U5.2@-14.805,147.893 C11.1@-14.805,145.009 ; C11.1@-14.794,142.037 -14.198,141.442 -8.487,141.442 C5.2@-8.487,143.144 ; C12.2@-13.003,145.009 C11.1@-14.805,145.009 ; C5.2@-8.466,143.165 v1@-7.741,143.165 ; v1@-7.674,143.165 U1.5@-6.567,143.165
  Bottom Layer w0.15: v1(4.685,144.388) 4.564,144.509 4.564,145.867 4.564,145.983 5.313,146.732
  Bottom Layer w0.3: v1(-15.553,168.037) -15.553,162.108 -14.1,160.656 v1(-4.252,160.656) ; v1@-0.817,160.646 1.3,160.646 2.972,158.975 v1@2.972,156.131 ; 4.685,145.867 5.776,146.959 5.776,149.298 7.135,150.656 7.135,152.173 5.944,153.364 5.944,158.288 6.416,158.76 6.416,160.54 6.409,160.547 v1@6.406,160.547
  Bottom Layer w0.5: v1@-7.674,143.216 1.73,143.216 3.584,141.362 3.584,132.768 4.517,131.835 7.771,131.835 8.945,133.009 11.017,133.009 12.018,132.007 AD1.4@12.018,130.783
  other v1: -7.201,143.197 -7.77,143.213 6.286,155.983 -0.833,160.646
5V: AD1.5
ANT: P1.1 U4.60 | length 14.1
  Top Layer w0.66: U4.60@32.237,162.171 36.489,162.171 ccw(c36.489,164.347) 38.665,164.347 P1.1@38.665,170.776
D+: U2.4 U3.3 | length 4.3
  Top Layer w0.15: U3.3@-18.421,172.398 -18.365,172.342 -18.348,172.359 v1(-17.405,172.359) ; v1(-16.992,173.521) -16.962,173.521 -16.131,172.691 U2.4@-15.392,172.691
  Bottom Layer w0.15: v1(-17.405,172.359) v1@-17.405,172.411 ; v1@-17.406,172.411 -17.406,173.108 v1(-16.992,173.521)
D-: U2.5 U3.2 | length 3.4
  Top Layer w0.15: U3.2@-18.571,173.012 -17.331,173.012 -16.51,172.191 U2.5@-15.553,172.191
DTR: Q2.2 R1.1 U2.28 | length 16.8
  Top Layer w0.15: U2.28@-14.393,175.545 -14.371,175.568 -14.371,176.833 -13.756,177.447 -10.992,177.447 -9.311,175.766 -9.311,174.914 -8.721,174.324 R1.1@-8.571,174.324 -8.421,174.324 -7.721,175.023 -6.236,175.023 -5.881,174.668 -5.881,171.248 -6.216,170.913 Q2.2@-6.805,170.913
EN: AD1.3 AD1.30 C10.1 Q1.3 R12.2 R13.2 U5.3 | length 117.5
  Top Layer w0.15: Q1.3@-4.789,175.234 -3.831,175.234 v1(-3.783,175.282) ; R13.2@-1.075,176.578 -1.075,176.728 0.047,177.849 0.047,178.201 AD1.30@0.415,178.569
  Top Layer w0.2: U5.3@-13.453,147.618 -13.453,146.897 R12.2@-11.546,144.989 ; R12.2@-11.535,144.978 R12.2@-11.546,144.989 ; v1(-10.834,144.991) R12.2@-11.546,144.989
  Bottom Layer w0.15: v1@-3.802,175.237 -7.828,175.237 -8.409,174.655 -8.409,166.566 -9.366,165.609 -12.643,165.609 -13.282,164.969 -13.282,163.076 -12.64,162.434 -3.095,162.434 -1.353,164.175 1.838,164.175 4.069,161.944 4.069,149.018 2.569,147.518 -9.712,147.518 -10.834,146.396 v1(-10.834,144.991) -10.834,143.514 -9.83,142.511 1.277,142.511 2.983,140.805 2.983,132.209 4.447,130.746 AD1.3@9.677,130.746 ; v1@-3.713,175.246 0.069,175.246 0.604,175.781 0.604,178.598 AD1.30@0.497,178.705
GSM_RX: AD1.19 R23.1 U5.28 U7.1 | length 65
  Top Layer w0.15: U5.28@-3.455,164.316 -3.455,163.701 -1.357,161.604 v1@-0.851,161.604 ; v1(-3.385,166.602) -3.375,166.593 U5.28@-3.375,164.893 ; v1(2.861,177.079) 2.922,177.079 3.721,176.28 26.441,176.28 26.766,176.605 27.701,176.605 v1(28.315,175.99) ; v1(2.973,155.164) v1@3.209,155.164 ; U7.1@4.045,155.162 4.045,155.156 4.022,155.133 3.991,155.164 v1@3.209,155.164 ; R23.1@4.09,152.53 3.209,153.41 v1@3.209,155.164
  Bottom Layer w0.15: v1(-3.385,166.602) -3.385,166.628 -2.933,167.081 0.147,167.081 1.316,168.249 1.316,175.568 3.031,177.283 ; v1(-0.833,161.604) -1.258,161.604 -1.469,161.392 -1.469,160.345 -1.284,160.16 1.256,160.16 2.394,159.023 2.394,155.742 2.939,155.197 v1@2.959,155.197 ; v1(28.315,175.99) 28.315,177.026 30.012,178.723 AD1.19@30.012,178.778
GSM_TX: AD1.20 R22.1 U5.27 U7.8 | length 54.8
  Top Layer w0.15: U5.27@-2.126,164.4 -2.126,163.449 -1.189,162.513 v1(-0.833,162.513) v1@-0.812,162.513 ; U5.27@-2.105,164.893 -2.105,166.487 v1(-2.087,166.505) ; v1(2.893,160.084) 2.893,158.533 3.362,158.064 U7.8@4.072,158.064 ; v1(2.905,176.17) 2.905,176.126 3.051,175.98 27.358,175.98 v1(27.369,175.99) ; R22.1@4.01,157.089 4.072,157.151 U7.8@4.072,158.064 ; U7.8@4.072,158.076 U7.8@4.072,158.064 ; U7.8@4.082,158.064 U7.8@4.072,158.064 ; AD1.20@26.523,178.651 AD1.20@27.19,178.651
  Bottom Layer w0.15: v1@-2.116,166.441 -1.872,166.685 0.175,166.685 1.616,168.125 1.616,174.907 2.878,176.17 v1(2.905,176.17) ; v1@-0.797,162.474 1.557,162.474 2.893,161.138 v1(2.893,160.084) ; AD1.20@27.185,178.915 27.369,178.731 v1(27.369,175.99)
IO0: Q2.3 R5.2 U5.25 | length 18
  Top Layer w0.15: Q2.3@-4.849,171.819 -5.098,171.819 -5.268,171.649 -5.268,171.079 -5.869,170.478 -5.869,167.529 -5.51,167.17 -0.454,167.17 0.267,166.449 U5.25@0.267,165.638 ; U5.25@0.435,164.893 0.277,165.05 0.277,166.459 2.363,166.459 3.813,165.01 R5.2@3.829,165.01
IO2: AD1.9 R7.1 U5.24 | length 59.3
  Top Layer w0.15: U5.24@1.702,162.017 1.788,162.103 v1@2.821,162.103 ; v1(2.821,162.096) v1@2.821,162.103 ; v1@2.872,150.132 2.872,150.177 3.106,150.411 3.677,150.411 3.9,150.188 8.356,150.188 v1(8.491,150.323) ; R7.1@3.819,162.103 v1@2.821,162.103 ; AD1.9@27.124,130.499 27.295,130.67 v1(27.295,136.337)
  Bottom Layer w0.15: v1(2.819,149.962) 2.841,149.962 2.891,150.012 2.891,150.047 3.448,150.603 3.448,161.469 v1(2.821,162.096) ; v1(8.491,150.323) 9.094,149.719 9.094,136.552 9.731,135.916 26.873,135.916 v1(27.295,136.337)
IO4: AD1.10 U5.26 | length 63.3
  Top Layer w0.15: v1@-0.911,163.439 -0.835,163.515 U5.26@-0.835,164.893 ; v1(3.48,149.936) 3.647,149.769 8.198,149.769 8.36,149.607 v1(8.455,149.607) ; AD1.10@29.709,130.871 v1(29.709,135.718)
  Bottom Layer w0.15: v1@-0.788,163.501 2.088,163.501 3.748,161.841 3.748,150.442 3.459,150.153 3.459,149.97 3.48,149.949 v1(3.48,149.936) ; v1(8.455,149.607) 8.455,136.768 9.607,135.616 29.607,135.616 v1(29.709,135.718)
  other v1: -0.833,163.416
IO5: AD1.25 U5.29 | length 27.3
  Bottom Layer w0.15: v1@-4.702,163.622 -3.977,163.622 -2.503,165.097 0.305,165.097 0.462,165.254 ; 0.335,165.098 2.816,167.579 2.816,173.925 5.665,176.774 7.262,176.774 7.842,177.354 11.513,177.354 AD1.25@12.591,178.431
  other v1: -4.653,163.701
IO12: AD1.23 U5.14 | length 46.4
  Top Layer w0.15: U5.14@0.435,147.893 0.435,146.596 v1(0.441,146.589)
  Bottom Layer w0.15: v1(0.441,146.589) 3.049,146.589 4.369,147.909 4.369,164.407 7.283,167.322 7.283,172.876 10.188,175.781 16.943,175.781 18.097,176.935 AD1.23@18.097,178.87
IO13: AD1.24 U5.16 | length 40
  Top Layer w0.15: v1(-0.725,159.52) -0.174,160.071 -0.174,163.018 0.179,163.371 2.082,163.371 2.461,163.75 v1(2.461,165.561) ; v1(-0.112,151.807) -0.097,151.822 U5.16@1.036,151.822
  Bottom Layer w0.15: v1(-0.725,159.52) -0.725,152.42 v1(-0.112,151.807) ; v1(2.461,165.561) 2.461,165.555 4.243,165.555 6.38,167.691 6.38,173.245 9.816,176.681 13.959,176.681 15.574,178.296 AD1.24@15.574,179.037
IO14: AD1.22 U5.13 | length 51.2
  Top Layer w0.15: v1(-0.863,146.463) -0.835,146.49 U5.13@-0.835,147.893
  Bottom Layer w0.15: v1(-0.863,146.463) -0.503,146.103 2.987,146.103 4.669,147.785 4.669,164.283 7.583,167.198 7.583,172.752 10.313,175.481 18.979,175.481 AD1.22@22.28,178.783
IO15: U5.23
IO18: AD1.28 U5.30 | length 22.2
  Top Layer w0.15: U5.30@-5.986,165.312 -5.929,165.368 v1(-5.929,166.351)
  Bottom Layer w0.15: v1(-5.929,166.351) -5.575,165.997 -0.088,165.997 1.916,168.001 1.916,174.298 5.287,177.669 5.287,178.5 AD1.28@5.575,178.788
IO19: AD1.27 U5.31 | length 24.8
  Top Layer w0.15: v1(-7.178,166.168) -7.131,166.121 U5.31@-7.131,165.468
  Bottom Layer w0.15: v1(-7.178,166.168) -6.706,165.697 0.036,165.697 2.216,167.877 2.216,174.173 5.417,177.374 6.98,177.374 AD1.27@7.858,178.252
IO21: C20.2 IO21.2 R21.2 U5.33 | length 25.9
  Top Layer w0.15: U5.33@-9.725,164.893 -9.725,166.132 -9.111,166.747 -8.174,166.747 v1(-7.888,166.46) ; v1(0.749,170.2) 5.584,170.2 R21.2@5.604,170.221 ; IO21.2@3.145,174.573 3.321,174.573 5.26,172.634 5.604,172.634 R21.2@5.604,170.221 ; C20.2@5.586,172.974 C20.2@5.586,173.192 ; R21.2@5.646,170.263 R21.2@5.604,170.221
  Bottom Layer w0.15: v1(-7.888,166.46) -7.52,166.828 -4.202,166.828 -3.628,167.402 0.044,167.402 1.016,168.374 1.016,169.799 0.776,170.039 0.776,170.174 v1(0.749,170.2)
IO22: R6.1 U5.36 | length 3
  Top Layer w0.15: U5.36@-13.535,164.893 -13.468,164.96 -13.468,166.088 -13.001,166.556 -13.001,166.563 -12.297,167.267 R6.1@-12.145,167.267
IO23: AD1.26 U5.37 | length 37.7
  Top Layer w0.15: U5.37@-14.788,164.536 -14.697,164.445 -14.697,163.883 -14.134,163.32 -12.665,163.32 v1(-12.582,163.237)
  Bottom Layer w0.15: v1@-12.61,163.28 v1@-12.582,163.309 ; v1(-12.582,163.237) v1@-12.582,163.309 ; v1@-12.582,163.405 v1@-12.582,163.34 ; v1@-12.581,163.339 v1@-12.566,163.324 ; v1@-12.549,163.307 v1@-12.566,163.324 ; AD1.26@10.494,179.037 10.494,178.626 9.522,177.654 7.684,177.654 7.105,177.074 5.541,177.074 2.516,174.049 2.516,167.74 0.173,165.397 -4.288,165.397 -4.829,164.856 -12.327,164.856 -12.62,164.563 -12.62,163.378 v1@-12.582,163.34 ; v1@-12.582,163.309 v1@-12.566,163.324 ; v1@-12.582,163.309 v1@-12.582,163.34 ; v1@-12.582,163.34 v1@-12.566,163.324
IO25: U5.10
IO26: AD1.14 U5.11 | length 65.4
  Top Layer w0.15: v1(-3.381,146.347) -3.375,146.353 U5.11@-3.375,147.893
  Bottom Layer w0.15: v1(-3.381,146.347) -4.247,147.213 -6.251,147.213 -6.385,147.079 -6.385,145.447 -5.7,144.762 2.969,144.762 5.513,142.218 5.513,134.008 6.01,133.511 7.068,133.511 8.523,134.966 30.338,134.966 31.099,135.727 35.716,135.727 AD1.14@39.989,131.454
IO27: AD1.21 U5.12 | length 55
  Top Layer w0.15: U5.12@-2.105,147.893 -2.105,146.454 v1(-2.095,146.443)
  Bottom Layer w0.15: v1(-2.095,146.443) -1.455,145.803 3.112,145.803 4.969,147.66 4.969,164.159 7.883,167.073 7.883,172.627 10.437,175.181 21.106,175.181 AD1.21@24.668,178.742
IO32: AD1.11 U5.8 | length 56.4
  Top Layer w0.15: U5.8@-7.185,147.893 -7.185,146.349 v1(-7.18,146.343) ; AD1.11@32.131,131.052 v1(32.131,134.965)
  Bottom Layer w0.15: v1(-7.18,146.343) -7.18,145.316 -6.325,144.462 2.845,144.462 5.213,142.094 5.213,133.809 5.81,133.211 7.192,133.211 8.647,134.666 31.832,134.666 v1(32.131,134.965)
IO33: U5.9
IO34: AD1.12 U5.6 | length 59.5
  Top Layer w0.2: v1(-9.735,146.175) -9.725,146.184 U5.6@-9.725,147.893
  Bottom Layer w0.15: v1@-9.791,146.191 -7.387,143.787 2.471,143.787 4.504,141.754 4.504,133.456 5.398,132.561 7.461,132.561 8.818,133.917 33.214,133.917 34.713,132.418 AD1.12@34.713,130.794
IO35: AD1.13 U5.7 | length 60.4
  Top Layer w0.2: U5.7@-8.455,147.893 -8.455,146.313 v1(-8.45,146.308)
  Bottom Layer w0.15: v1(-8.45,146.308) -8.45,145.869 -6.718,144.137 2.616,144.137 3.552,143.201 3.587,143.201 ; 3.605,143.201 3.587,143.201 ; 4.888,133.707 4.888,141.9 3.587,143.201 ; 4.891,133.707 5.686,132.911 7.316,132.911 8.623,134.217 34.902,134.217 37.477,131.643 AD1.13@37.477,130.979